# KiCad board digital.kicad_pcb (continued)
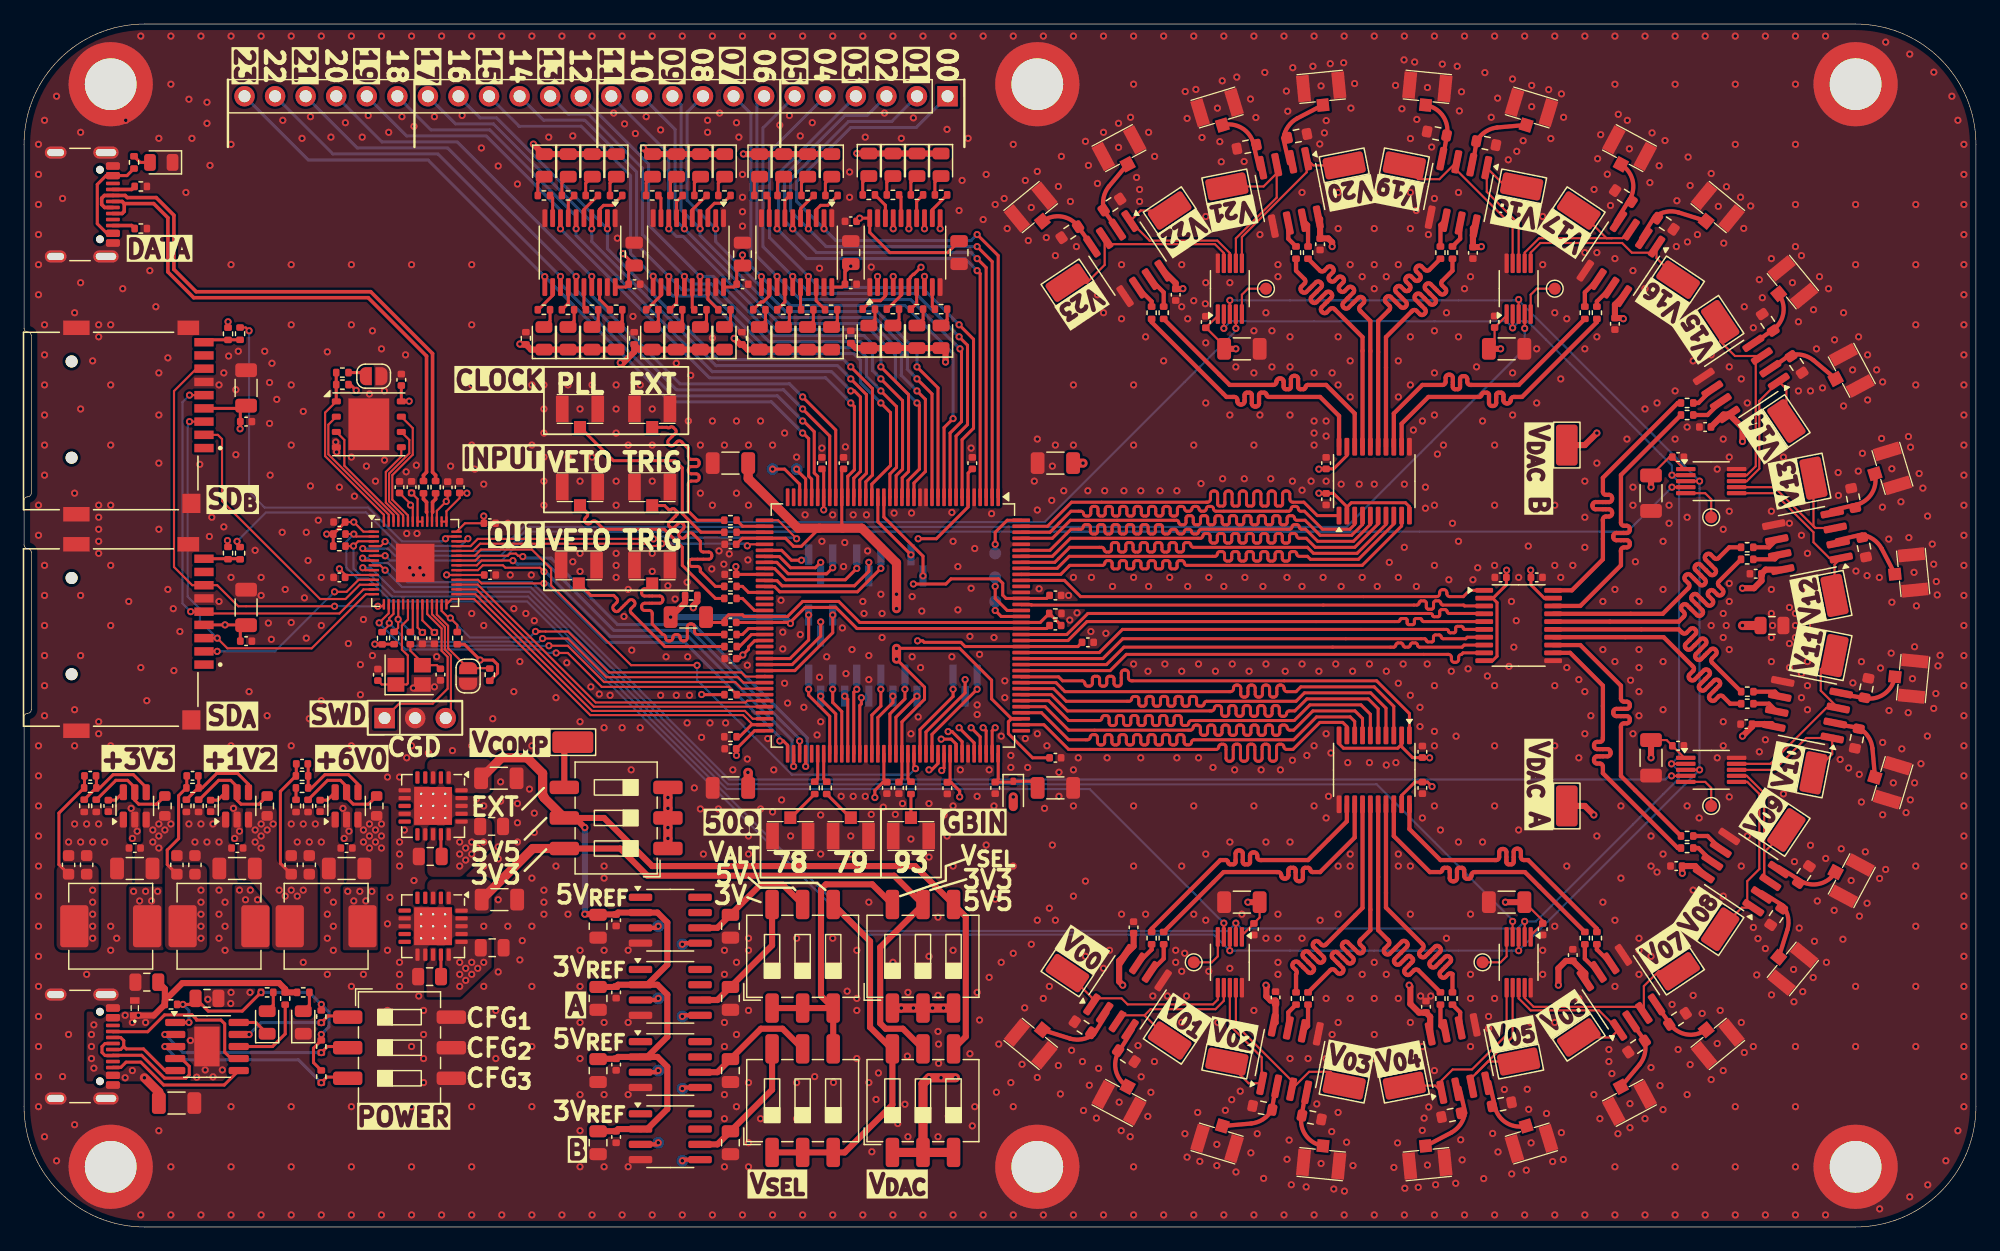
[diagram p0: board, top side]
## Routing (per net, layer and track width the routed paths; a pad name or vN(x,y) marks a point on that pad's centre or on a via; arc(x,y) is an arc through that point) (continued)
/FPGA/TRIG_IN: length 2.5
  Top w0.254: R8.2 59.7,53.25 60.2,52.75 U1.49
/FPGA/TRIG_IN_0: length 40
  Top w0.254: U24.9 109.92,41.6 109.58,41.94 107.69,41.94 105.44,39.7 104.91,39.7 arc(104.75,39.76) 104.69,39.92 arc(104.63,40.07) 104.48,40.13 104.3,40.13 arc(104.14,40.07) 104.08,39.92 104.08,38.95 arc(104.01,38.78) 103.84,38.71 103.72,38.71 arc(103.55,38.78) 103.48,38.95 103.48,39.92 arc(103.42,40.07) 103.26,40.13 103.1,40.13 arc(102.94,40.07) 102.88,39.92 102.88,38.95 arc(102.81,38.78) 102.64,38.71 102.52,38.71 arc(102.35,38.78) 102.28,38.95 102.28,39.92 arc(102.22,40.07) 102.06,40.13 101.9,40.13 arc(101.74,40.07) 101.68,39.92 101.68,38.95 arc(101.61,38.78) 101.44,38.71 101.32,38.71 arc(101.15,38.78) 101.08,38.95 101.08,39.92 arc(101.02,40.07) 100.86,40.13 100.7,40.13 arc(100.54,40.07) 100.48,39.92 100.48,38.95 arc(100.41,38.78) 100.24,38.71 100.12,38.71 arc(99.95,38.78) 99.88,38.95 99.88,39.92 arc(99.82,40.07) 99.67,40.13 99.5,40.13 arc(99.34,40.07) 99.28,39.92 arc(99.22,39.76) 99.07,39.7 86.8,39.7 84.75,41.75 U1.110
/FPGA/TRIG_IN_1: length 40
  Top w0.254: U1.112 84.55,42.75 86.8,40.5 88.38,40.5 arc(88.54,40.56) 88.6,40.71 arc(88.66,40.86) 88.81,40.93 88.98,40.93 arc(89.14,40.86) 89.2,40.71 89.2,40.29 arc(89.26,40.13) 89.41,40.07 89.58,40.07 arc(89.73,40.13) 89.8,40.29 89.8,40.71 arc(89.86,40.87) 90.01,40.93 90.18,40.93 arc(90.33,40.87) 90.4,40.71 90.4,40.29 arc(90.46,40.13) 90.61,40.07 90.78,40.07 arc(90.93,40.13) 91,40.29 91,40.71 arc(91.06,40.87) 91.21,40.93 91.38,40.93 arc(91.53,40.87) 91.6,40.71 91.6,40.29 arc(91.66,40.13) 91.81,40.07 91.98,40.07 arc(92.13,40.13) 92.2,40.29 92.2,40.71 arc(92.26,40.87) 92.41,40.93 92.58,40.93 arc(92.73,40.87) 92.8,40.71 92.8,40.29 arc(92.86,40.13) 93.01,40.07 93.18,40.07 arc(93.33,40.13) 93.4,40.29 93.4,40.71 arc(93.46,40.87) 93.61,40.93 93.78,40.93 arc(93.93,40.87) 94,40.71 94,40.29 arc(94.06,40.13) 94.21,40.07 94.38,40.07 arc(94.53,40.13) 94.6,40.29 94.6,40.71 arc(94.66,40.87) 94.81,40.93 94.98,40.93 arc(95.13,40.87) 95.2,40.71 95.2,40.29 arc(95.26,40.13) 95.41,40.07 95.58,40.07 arc(95.73,40.13) 95.8,40.29 95.8,40.71 arc(95.86,40.87) 96.01,40.93 96.18,40.93 arc(96.33,40.87) 96.4,40.71 96.4,40.29 arc(96.46,40.14) 96.61,40.07 96.8,40.07 arc(96.95,40.14) 97.01,40.29 arc(97.07,40.44) 97.22,40.5 105.5,40.5 107.4,42.4 110.2,42.4 110.58,42.03 U24.8
/FPGA/TRIG_IN_2: length 40
  Top w0.254: U1.113 84.85,43.25 86.8,41.3 96.94,41.3 arc(97.09,41.36) 97.15,41.51 arc(97.21,41.66) 97.36,41.72 97.54,41.72 arc(97.69,41.66) 97.75,41.51 97.75,41.09 arc(97.81,40.94) 97.96,40.87 98.14,40.87 arc(98.29,40.94) 98.35,41.09 98.35,41.51 arc(98.41,41.66) 98.56,41.73 98.74,41.73 arc(98.89,41.66) 98.95,41.51 98.95,41.09 arc(99.01,40.94) 99.16,40.87 99.34,40.87 arc(99.49,40.94) 99.55,41.09 99.55,41.51 arc(99.61,41.66) 99.76,41.73 99.94,41.73 arc(100.09,41.66) 100.15,41.51 100.15,41.09 arc(100.21,40.94) 100.36,40.87 100.54,40.87 arc(100.69,40.94) 100.75,41.09 100.75,41.51 arc(100.81,41.66) 100.96,41.73 101.14,41.73 arc(101.29,41.66) 101.35,41.51 101.35,41.09 arc(101.41,40.94) 101.56,40.87 101.74,40.87 arc(101.89,40.94) 101.95,41.09 101.95,41.51 arc(102.01,41.66) 102.16,41.73 102.34,41.73 arc(102.49,41.66) 102.55,41.51 102.55,41.09 arc(102.61,40.94) 102.76,40.87 102.94,40.87 arc(103.09,40.94) 103.15,41.09 103.15,41.51 arc(103.21,41.66) 103.36,41.73 103.54,41.73 arc(103.69,41.66) 103.75,41.51 103.75,41.09 arc(103.81,40.94) 103.96,40.87 104.14,40.87 arc(104.29,40.94) 104.35,41.09 104.35,41.51 arc(104.41,41.66) 104.56,41.72 104.75,41.72 arc(104.9,41.66) 104.96,41.51 arc(105.03,41.36) 105.17,41.3 105.5,41.3 107.1,42.9 110.6,42.9 111.23,42.28 U24.7
/FPGA/TRIG_IN_3: length 40
  Top w0.254: U1.114 85.15,43.75 86.8,42.1 89.36,42.1 arc(89.51,42.16) 89.57,42.31 arc(89.63,42.45) 89.77,42.51 89.96,42.51 arc(90.11,42.45) 90.17,42.31 90.17,41.89 arc(90.23,41.74) 90.38,41.68 90.56,41.68 arc(90.71,41.74) 90.77,41.89 90.77,42.31 arc(90.83,42.46) 90.98,42.52 91.16,42.52 arc(91.31,42.46) 91.37,42.31 91.37,41.89 arc(91.43,41.74) 91.58,41.68 91.76,41.68 arc(91.91,41.74) 91.97,41.89 91.97,42.31 arc(92.03,42.46) 92.18,42.52 92.36,42.52 arc(92.51,42.46) 92.57,42.31 92.57,41.89 arc(92.63,41.74) 92.78,41.68 92.96,41.68 arc(93.11,41.74) 93.17,41.89 93.17,42.31 arc(93.23,42.46) 93.38,42.52 93.56,42.52 arc(93.71,42.46) 93.77,42.31 93.77,41.89 arc(93.83,41.74) 93.98,41.68 94.16,41.68 arc(94.31,41.74) 94.37,41.89 94.37,42.31 arc(94.43,42.46) 94.58,42.52 94.76,42.52 arc(94.91,42.46) 94.97,42.31 94.97,41.89 arc(95.03,41.74) 95.18,41.68 95.36,41.68 arc(95.51,41.74) 95.57,41.89 95.57,42.31 arc(95.63,42.46) 95.78,42.52 95.96,42.52 arc(96.11,42.46) 96.17,42.31 96.17,41.89 arc(96.23,41.75) 96.37,41.69 96.58,41.69 arc(96.73,41.75) 96.79,41.89 arc(96.85,42.04) 96.99,42.1 105.55,42.1 106.85,43.4 111.1,43.4 111.88,42.62 U24.6
/FPGA/TRIG_IN_4: length 40
  Top w0.254: U24.5 112.52,43.08 111.7,43.9 106.6,43.9 105.6,42.9 105.14,42.9 arc(104.98,42.83) 104.91,42.68 arc(104.85,42.52) 104.69,42.46 104.53,42.46 arc(104.38,42.52) 104.31,42.68 104.31,43.12 arc(104.25,43.28) 104.09,43.35 103.93,43.35 arc(103.78,43.28) 103.71,43.12 103.71,42.68 arc(103.65,42.52) 103.49,42.45 103.33,42.45 arc(103.18,42.52) 103.11,42.68 103.11,43.12 arc(103.05,43.28) 102.89,43.35 102.73,43.35 arc(102.58,43.28) 102.51,43.12 102.51,42.68 arc(102.45,42.52) 102.29,42.45 102.13,42.45 arc(101.98,42.52) 101.91,42.68 101.91,43.12 arc(101.85,43.28) 101.69,43.35 101.53,43.35 arc(101.38,43.28) 101.31,43.12 101.31,42.68 arc(101.25,42.52) 101.09,42.45 100.93,42.45 arc(100.78,42.52) 100.71,42.68 100.71,43.12 arc(100.65,43.28) 100.49,43.35 100.33,43.35 arc(100.18,43.28) 100.11,43.12 100.11,42.68 arc(100.05,42.52) 99.89,42.45 99.73,42.45 arc(99.58,42.52) 99.51,42.68 99.51,43.12 arc(99.45,43.28) 99.29,43.34 99.13,43.34 arc(98.98,43.28) 98.91,43.12 arc(98.85,42.97) 98.69,42.9 86.7,42.9 85.35,44.25 U1.115
/FPGA/TRIG_IN_5: length 40
  Top w0.254: U1.116 85.55,44.75 86.6,43.7 91.84,43.7 arc(91.98,43.76) 92.03,43.9 arc(92.09,44.04) 92.23,44.1 92.44,44.1 arc(92.58,44.04) 92.63,43.9 92.63,43.5 arc(92.69,43.35) 92.84,43.29 93.03,43.29 arc(93.18,43.35) 93.23,43.5 93.23,43.9 arc(93.29,44.05) 93.44,44.11 93.63,44.11 arc(93.78,44.05) 93.83,43.9 93.83,43.5 arc(93.89,43.35) 94.04,43.29 94.23,43.29 arc(94.38,43.35) 94.43,43.5 94.43,43.9 arc(94.49,44.05) 94.64,44.11 94.83,44.11 arc(94.98,44.05) 95.03,43.9 95.03,43.5 arc(95.09,43.35) 95.24,43.29 95.43,43.29 arc(95.58,43.35) 95.63,43.5 95.63,43.9 arc(95.69,44.05) 95.84,44.11 96.03,44.11 arc(96.18,44.05) 96.23,43.9 96.23,43.5 arc(96.29,43.35) 96.44,43.29 96.63,43.29 arc(96.78,43.35) 96.83,43.5 96.83,43.9 arc(96.89,44.05) 97.04,44.11 97.23,44.11 arc(97.38,44.05) 97.43,43.9 97.43,43.5 arc(97.49,43.36) 97.63,43.3 97.86,43.3 arc(98,43.36) 98.06,43.5 arc(98.12,43.64) 98.26,43.7 105.7,43.7 106.4,44.4 111.9,44.4 113.17,43.12 U24.4
/FPGA/TRIG_IN_6: length 40
  Top w0.254: U1.117 85.75,45.25 86.5,44.5 100.26,44.5 arc(100.43,44.57) 100.5,44.74 100.5,44.81 arc(100.57,44.98) 100.74,45.05 100.86,45.05 arc(101.03,44.98) 101.1,44.81 101.1,44.28 arc(101.17,44.12) 101.33,44.05 101.48,44.05 arc(101.64,44.12) 101.7,44.28 101.7,44.81 arc(101.77,44.98) 101.94,45.05 102.06,45.05 arc(102.23,44.98) 102.3,44.81 102.3,44.28 arc(102.37,44.12) 102.53,44.05 102.68,44.05 arc(102.84,44.12) 102.9,44.28 102.9,44.81 arc(102.97,44.98) 103.14,45.05 103.26,45.05 arc(103.43,44.98) 103.5,44.81 103.5,44.28 arc(103.57,44.12) 103.73,44.05 103.88,44.05 arc(104.04,44.12) 104.1,44.28 104.1,44.81 arc(104.17,44.98) 104.34,45.05 104.46,45.05 arc(104.63,44.98) 104.7,44.81 104.7,44.74 arc(104.77,44.57) 104.94,44.5 105.7,44.5 106.1,44.9 112.2,44.9 113.83,43.28 U24.3
/FPGA/TRIG_IN_7: length 40
  Top w0.254: U24.1 115.13,42.67 112.4,45.4 92.01,45.4 arc(91.84,45.47) 91.77,45.64 91.77,46.06 arc(91.7,46.23) 91.53,46.3 91.41,46.3 arc(91.24,46.23) 91.17,46.06 91.17,45.18 arc(91.11,45.02) 90.95,44.96 90.79,44.96 arc(90.64,45.02) 90.57,45.18 90.57,45.59 arc(90.52,45.72) 90.38,45.78 90.16,45.78 arc(90.03,45.72) 89.97,45.59 89.97,45.18 arc(89.91,45.02) 89.75,44.96 89.59,44.96 arc(89.44,45.02) 89.37,45.18 89.37,45.59 arc(89.32,45.72) 89.18,45.78 88.96,45.78 arc(88.83,45.72) 88.77,45.59 88.77,45.18 arc(88.71,45.03) 88.56,44.96 88.37,44.96 arc(88.22,45.03) 88.15,45.18 arc(88.09,45.34) 87.93,45.4 86.3,45.4 85.97,45.73 82.88,45.73 U1.118
/FPGA/TRIG_IN_8: length 40
  Top w0.254: U1.119 90.25,46.25 91.6,47.6 118.37,47.6 arc(118.54,47.53) 118.61,47.36 118.61,47.18 arc(118.68,47.01) 118.85,46.94 118.97,46.94 arc(119.14,47.01) 119.21,47.18 119.21,47.36 arc(119.28,47.53) 119.45,47.6 119.58,47.72 U29.9
/FPGA/TRIG_IN_9: length 39.9
  Top w0.254: U1.120 89.95,46.75 91.4,48.2 113.82,48.2 arc(113.94,48.25) 113.99,48.38 arc(114.05,48.5) 114.17,48.55 114.42,48.55 arc(114.54,48.5) 114.59,48.38 arc(114.65,48.25) 114.77,48.2 115.02,48.2 arc(115.14,48.25) 115.19,48.38 arc(115.25,48.5) 115.37,48.55 115.62,48.55 arc(115.74,48.5) 115.79,48.38 arc(115.85,48.25) 115.97,48.2 119.5,48.2 119.67,48.38 U29.8
/FPGA/TRIG_IN_10: length 40
  Top w0.254: U29.7 119.92,49.03 119.8,48.9 117.92,48.9 arc(117.81,48.95) 117.76,49.06 arc(117.72,49.17) 117.61,49.22 117.28,49.22 arc(117.17,49.17) 117.12,49.06 117.12,48.77 arc(117.08,48.67) 116.99,48.63 116.65,48.63 arc(116.56,48.67) 116.52,48.77 arc(116.48,48.86) 116.39,48.9 91.3,48.9 89.65,47.25 U1.121
/FPGA/TRIG_IN_11: length 40
  Top w0.254: U1.122 89.35,47.75 91.27,49.67 118.22,49.67 arc(118.32,49.63) 118.37,49.53 arc(118.41,49.43) 118.51,49.39 118.82,49.39 arc(118.92,49.43) 118.97,49.53 118.97,49.8 arc(119,49.89) 119.09,49.93 119.46,49.93 arc(119.55,49.89) 119.59,49.8 arc(119.63,49.71) 119.72,49.67 U29.6
/FPGA/TRIG_IN_12: length 40.2
  Top w0.254: U29.5 116.28,50.33 arc(116.19,50.36) 116.16,50.45 arc(116.12,50.54) 116.03,50.58 115.66,50.58 arc(115.57,50.54) 115.53,50.45 115.53,50.2 arc(115.5,50.11) 115.41,50.07 115.06,50.07 arc(114.97,50.11) 114.93,50.2 114.93,50.45 arc(114.9,50.54) 114.81,50.58 114.46,50.58 arc(114.37,50.54) 114.33,50.45 arc(114.3,50.36) 114.21,50.33 88.33,50.33 86.75,48.75 U1.124
/FPGA/TRIG_IN_13: length 40
  Top w0.254: U1.125 86.65,49.25 88.4,51 116.9,51 arc(117,50.96) 117.04,50.87 arc(117.08,50.77) 117.17,50.73 117.5,50.73 arc(117.6,50.77) 117.64,50.87 117.64,51.16 arc(117.69,51.27) 117.8,51.32 118.09,51.32 arc(118.21,51.27) 118.25,51.16 arc(118.3,51.05) 118.41,51 121.31,51 U29.4
/FPGA/TRIG_IN_14: length 40
  Top w0.254: U29.3 119.7,51.62 119.63,51.7 117.9,51.7 arc(117.78,51.75) 117.73,51.87 arc(117.68,52) 117.56,52.05 117.3,52.05 arc(117.18,52) 117.13,51.87 117.13,51.53 arc(117.08,51.4) 116.95,51.35 116.7,51.35 arc(116.58,51.4) 116.53,51.53 116.53,51.87 arc(116.48,52) 116.35,52.05 116.1,52.05 arc(115.98,52) 115.93,51.87 arc(115.88,51.75) 115.75,51.7 83.72,51.7 83.69,51.73 82.88,51.73 U1.130
/FPGA/TRIG_IN_15: length 40
  Top w0.254: U1.134 86.45,53.75 87.8,52.4 117.39,52.4 arc(117.56,52.47) 117.63,52.64 117.63,52.74 arc(117.7,52.91) 117.87,52.98 117.99,52.98 arc(118.16,52.91) 118.23,52.74 118.23,52.64 arc(118.3,52.47) 118.47,52.4 119.6,52.4 120.13,52.92 U29.1
/FPGA/TRIG_IN_16: length 40
  Top w0.254: 82.88,54.23 U1.135 86.15,54.25 86.9,55 89.62,55 arc(89.76,55.06) 89.81,55.2 arc(89.87,55.34) 90.01,55.39 90.22,55.39 arc(90.36,55.34) 90.41,55.2 90.41,54.85 arc(90.46,54.75) 90.56,54.71 90.87,54.71 arc(90.97,54.75) 91.01,54.85 91.01,55.2 arc(91.07,55.34) 91.21,55.39 91.42,55.39 arc(91.56,55.34) 91.61,55.2 91.61,54.85 arc(91.66,54.75) 91.76,54.71 92.07,54.71 arc(92.17,54.75) 92.21,54.85 92.21,55.2 arc(92.27,55.34) 92.41,55.39 92.62,55.39 arc(92.76,55.34) 92.81,55.2 92.81,54.85 arc(92.86,54.75) 92.96,54.71 93.27,54.71 arc(93.37,54.75) 93.41,54.85 93.41,55.2 arc(93.47,55.34) 93.61,55.39 93.82,55.39 arc(93.96,55.34) 94.01,55.2 94.01,54.85 arc(94.06,54.75) 94.16,54.71 94.47,54.71 arc(94.57,54.75) 94.61,54.85 94.61,55.2 arc(94.67,55.34) 94.81,55.39 95.02,55.39 arc(95.16,55.34) 95.21,55.2 95.21,54.85 arc(95.26,54.75) 95.36,54.71 95.67,54.71 arc(95.77,54.75) 95.81,54.85 95.81,55.2 arc(95.87,55.34) 96.01,55.39 96.22,55.39 arc(96.36,55.34) 96.42,55.2 arc(96.47,55.06) 96.61,55 111.2,55 114.48,58.28 U34.9
/FPGA/TRIG_IN_17: length 40
  Top w0.254: U34.8 113.83,58.44 110.88,55.5 106.9,55.5 106.65,55.75 105.96,55.75 arc(105.82,55.81) 105.76,55.95 arc(105.71,56.08) 105.57,56.14 105.35,56.14 arc(105.22,56.08) 105.16,55.95 105.16,55.55 arc(105.1,55.41) 104.96,55.36 104.76,55.36 arc(104.62,55.41) 104.56,55.55 104.56,55.95 arc(104.5,56.09) 104.36,56.14 104.16,56.14 arc(104.02,56.09) 103.96,55.95 103.96,55.55 arc(103.9,55.41) 103.76,55.36 103.56,55.36 arc(103.42,55.41) 103.36,55.55 103.36,55.95 arc(103.3,56.09) 103.16,56.14 102.96,56.14 arc(102.82,56.09) 102.76,55.95 102.76,55.55 arc(102.7,55.41) 102.56,55.36 102.36,55.36 arc(102.22,55.41) 102.16,55.55 102.16,55.95 arc(102.1,56.09) 101.96,56.14 101.76,56.14 arc(101.62,56.09) 101.56,55.95 101.56,55.55 arc(101.5,55.41) 101.36,55.36 101.16,55.36 arc(101.02,55.41) 100.96,55.55 100.96,55.95 arc(100.9,56.09) 100.76,56.14 100.56,56.14 arc(100.42,56.09) 100.36,55.95 100.36,55.55 arc(100.3,55.41) 100.16,55.36 99.96,55.36 arc(99.82,55.41) 99.76,55.55 99.76,55.95 arc(99.7,56.08) 99.56,56.14 99.35,56.14 arc(99.22,56.08) 99.16,55.95 arc(99.1,55.81) 98.96,55.75 86.85,55.75 85.85,54.75 U1.136
/FPGA/TRIG_IN_18: length 40
  Top w0.254: U34.7 113.17,58.4 110.77,56 107.15,56 106.65,56.5 97.16,56.5 arc(97.02,56.56) 96.96,56.7 arc(96.9,56.83) 96.76,56.89 96.55,56.89 arc(96.41,56.83) 96.36,56.7 96.36,56.3 arc(96.3,56.16) 96.16,56.11 95.95,56.11 arc(95.81,56.16) 95.76,56.3 95.76,56.7 arc(95.7,56.84) 95.56,56.89 95.35,56.89 arc(95.21,56.84) 95.16,56.7 95.16,56.3 arc(95.1,56.16) 94.96,56.11 94.75,56.11 arc(94.61,56.16) 94.56,56.3 94.56,56.7 arc(94.5,56.84) 94.36,56.89 94.15,56.89 arc(94.01,56.84) 93.96,56.7 93.96,56.3 arc(93.9,56.16) 93.76,56.11 93.55,56.11 arc(93.41,56.16) 93.36,56.3 93.36,56.7 arc(93.3,56.84) 93.16,56.89 92.95,56.89 arc(92.81,56.84) 92.76,56.7 92.76,56.3 arc(92.7,56.16) 92.56,56.11 92.35,56.11 arc(92.21,56.16) 92.16,56.3 92.16,56.7 arc(92.1,56.84) 91.96,56.89 91.75,56.89 arc(91.61,56.84) 91.56,56.7 91.56,56.3 arc(91.5,56.16) 91.36,56.11 91.15,56.11 arc(91.01,56.16) 90.96,56.3 90.96,56.7 arc(90.9,56.84) 90.76,56.89 90.55,56.89 arc(90.41,56.84) 90.36,56.7 90.36,56.3 arc(90.3,56.17) 90.16,56.11 89.95,56.11 arc(89.81,56.17) 89.76,56.3 arc(89.7,56.44) 89.56,56.5 86.9,56.5 85.65,55.25 U1.137
/FPGA/TRIG_IN_19: length 40
  Top w0.254: U34.6 112.52,58.44 110.58,56.5 107.3,56.5 106.55,57.25 105.96,57.25 arc(105.82,57.31) 105.76,57.45 arc(105.7,57.59) 105.56,57.65 105.36,57.65 arc(105.22,57.59) 105.16,57.45 105.16,57.05 arc(105.1,56.91) 104.96,56.85 104.76,56.85 arc(104.62,56.91) 104.56,57.05 104.56,57.45 arc(104.5,57.59) 104.36,57.65 104.16,57.65 arc(104.02,57.59) 103.96,57.45 103.96,57.05 arc(103.9,56.91) 103.76,56.85 103.56,56.85 arc(103.42,56.91) 103.36,57.05 103.36,57.45 arc(103.3,57.59) 103.16,57.65 102.96,57.65 arc(102.82,57.59) 102.76,57.45 102.76,57.05 arc(102.7,56.91) 102.56,56.85 102.36,56.85 arc(102.22,56.91) 102.16,57.05 102.16,57.45 arc(102.1,57.59) 101.96,57.65 101.76,57.65 arc(101.62,57.59) 101.56,57.45 101.56,57.05 arc(101.5,56.91) 101.36,56.85 101.16,56.85 arc(101.02,56.91) 100.96,57.05 100.96,57.45 arc(100.9,57.59) 100.76,57.65 100.56,57.65 arc(100.42,57.59) 100.36,57.45 100.36,57.05 arc(100.3,56.91) 100.16,56.85 99.96,56.85 arc(99.82,56.91) 99.76,57.05 99.76,57.45 arc(99.7,57.59) 99.56,57.65 99.36,57.65 arc(99.22,57.59) 99.16,57.45 99.16,57.05 arc(99.1,56.91) 98.96,56.85 98.76,56.85 arc(98.62,56.91) 98.56,57.05 98.56,57.45 arc(98.5,57.59) 98.36,57.65 98.16,57.65 arc(98.02,57.59) 97.96,57.45 arc(97.9,57.31) 97.76,57.25 86.95,57.25 85.45,55.75 U1.138
/FPGA/TRIG_IN_20: length 40
  Top w0.254: U1.139 85.25,56.25 87,58 87.81,58 arc(87.95,58.06) 88.01,58.19 arc(88.07,58.33) 88.2,58.39 88.41,58.39 arc(88.55,58.33) 88.61,58.19 88.61,57.8 arc(88.67,57.67) 88.8,57.61 89.01,57.61 arc(89.15,57.67) 89.21,57.8 89.21,58.2 arc(89.27,58.33) 89.4,58.39 89.61,58.39 arc(89.75,58.33) 89.81,58.2 89.81,57.8 arc(89.87,57.67) 90,57.61 90.21,57.61 arc(90.35,57.67) 90.41,57.8 90.41,58.2 arc(90.47,58.33) 90.6,58.39 90.81,58.39 arc(90.95,58.33) 91.01,58.2 91.01,57.8 arc(91.07,57.67) 91.2,57.61 91.41,57.61 arc(91.55,57.67) 91.61,57.8 91.61,58.2 arc(91.67,58.33) 91.8,58.39 92.01,58.39 arc(92.15,58.33) 92.21,58.2 92.21,57.8 arc(92.27,57.67) 92.4,57.61 92.61,57.61 arc(92.75,57.67) 92.81,57.8 92.81,58.2 arc(92.87,58.33) 93,58.39 93.21,58.39 arc(93.35,58.33) 93.41,58.2 93.41,57.8 arc(93.47,57.67) 93.6,57.61 93.81,57.61 arc(93.95,57.67) 94.01,57.8 94.01,58.2 arc(94.07,58.33) 94.2,58.39 94.41,58.39 arc(94.55,58.33) 94.61,58.2 94.61,57.81 arc(94.67,57.67) 94.8,57.61 95.02,57.61 arc(95.16,57.67) 95.21,57.81 arc(95.27,57.94) 95.41,58 95.62,58 arc(95.76,57.94) 95.81,57.81 arc(95.87,57.67) 96.01,57.61 96.22,57.61 arc(96.36,57.67) 96.41,57.81 arc(96.47,57.94) 96.61,58 96.82,58 arc(96.96,57.94) 97.01,57.81 arc(97.07,57.67) 97.21,57.61 97.42,57.61 arc(97.56,57.67) 97.61,57.81 arc(97.67,57.94) 97.81,58 105.17,58 arc(105.31,58.06) 105.36,58.19 arc(105.42,58.33) 105.56,58.39 105.77,58.39 arc(105.91,58.33) 105.96,58.19 arc(106.02,58.06) 106.16,58 106.5,58 107.5,57 110.47,57 111.88,58.4 U34.5
/FPGA/TRIG_IN_21: length 40
  Top w0.254: U34.4 111.23,58.4 110.32,57.5 107.7,57.5 106.45,58.75 105.76,58.75 arc(105.63,58.81) 105.57,58.94 arc(105.51,59.07) 105.38,59.13 105.15,59.13 arc(105.01,59.07) 104.96,58.94 104.96,58.56 arc(104.9,58.43) 104.77,58.37 104.55,58.37 arc(104.41,58.43) 104.36,58.56 104.36,58.94 arc(104.3,59.07) 104.17,59.13 103.95,59.13 arc(103.81,59.07) 103.76,58.94 103.76,58.56 arc(103.7,58.43) 103.57,58.37 103.35,58.37 arc(103.21,58.43) 103.16,58.56 103.16,58.94 arc(103.1,59.07) 102.97,59.13 102.75,59.13 arc(102.61,59.07) 102.56,58.94 102.56,58.56 arc(102.5,58.43) 102.37,58.37 102.15,58.37 arc(102.01,58.43) 101.96,58.56 101.96,58.94 arc(101.9,59.07) 101.77,59.13 101.55,59.13 arc(101.41,59.07) 101.36,58.94 101.36,58.56 arc(101.3,58.43) 101.17,58.37 100.95,58.37 arc(100.81,58.43) 100.76,58.56 100.76,58.94 arc(100.7,59.07) 100.57,59.13 100.35,59.13 arc(100.21,59.07) 100.16,58.94 100.16,58.56 arc(100.1,58.43) 99.97,58.37 99.75,58.37 arc(99.61,58.43) 99.56,58.56 99.56,58.94 arc(99.5,59.07) 99.37,59.13 99.15,59.13 arc(99.01,59.07) 98.96,58.94 98.96,58.56 arc(98.9,58.43) 98.77,58.37 98.55,58.37 arc(98.41,58.43) 98.36,58.56 98.36,58.94 arc(98.3,59.07) 98.17,59.13 97.95,59.13 arc(97.81,59.07) 97.76,58.94 97.76,58.56 arc(97.7,58.43) 97.57,58.37 97.35,58.37 arc(97.21,58.43) 97.16,58.56 97.16,58.94 arc(97.1,59.07) 96.97,59.13 96.75,59.13 arc(96.61,59.07) 96.56,58.94 96.56,58.56 arc(96.5,58.43) 96.37,58.37 96.15,58.37 arc(96.01,58.43) 95.96,58.56 arc(95.9,58.69) 95.77,58.75 86.95,58.75 85.45,57.25 U1.141
/FPGA/TRIG_IN_22: length 40
  Top w0.254: U34.3 110.58,58.4 110.17,58 107.9,58 106.4,59.5 106.09,59.5 arc(105.95,59.56) 105.89,59.7 arc(105.83,59.84) 105.69,59.9 105.49,59.9 arc(105.35,59.84) 105.29,59.7 arc(105.23,59.56) 105.09,59.5 99.04,59.5 arc(98.9,59.56) 98.84,59.7 arc(98.78,59.84) 98.64,59.9 98.44,59.9 arc(98.3,59.84) 98.24,59.7 arc(98.18,59.56) 98.04,59.5 97.84,59.5 arc(97.7,59.56) 97.64,59.7 arc(97.58,59.84) 97.44,59.9 97.24,59.9 arc(97.1,59.84) 97.04,59.7 arc(96.98,59.56) 96.84,59.5 96.64,59.5 arc(96.5,59.56) 96.44,59.7 arc(96.38,59.84) 96.24,59.9 96.04,59.9 arc(95.9,59.84) 95.84,59.7 95.84,59.3 arc(95.78,59.16) 95.64,59.1 95.44,59.1 arc(95.3,59.16) 95.24,59.3 95.24,59.7 arc(95.18,59.84) 95.04,59.9 94.84,59.9 arc(94.7,59.84) 94.64,59.7 94.64,59.3 arc(94.58,59.16) 94.44,59.1 94.24,59.1 arc(94.1,59.16) 94.04,59.3 94.04,59.7 arc(93.98,59.84) 93.84,59.9 93.64,59.9 arc(93.5,59.84) 93.44,59.7 93.44,59.3 arc(93.38,59.16) 93.24,59.1 93.04,59.1 arc(92.9,59.16) 92.84,59.3 92.84,59.7 arc(92.78,59.84) 92.64,59.9 92.44,59.9 arc(92.3,59.84) 92.24,59.7 92.24,59.3 arc(92.18,59.16) 92.04,59.1 91.84,59.1 arc(91.7,59.16) 91.64,59.3 91.64,59.7 arc(91.58,59.84) 91.44,59.9 91.24,59.9 arc(91.1,59.84) 91.04,59.7 91.04,59.3 arc(90.98,59.16) 90.84,59.1 90.64,59.1 arc(90.5,59.16) 90.44,59.3 90.44,59.7 arc(90.38,59.84) 90.24,59.9 90.04,59.9 arc(89.9,59.84) 89.84,59.7 89.84,59.3 arc(89.78,59.16) 89.64,59.1 89.44,59.1 arc(89.3,59.16) 89.24,59.3 89.24,59.7 arc(89.18,59.84) 89.04,59.9 88.84,59.9 arc(88.7,59.84) 88.64,59.7 88.64,59.3 arc(88.58,59.16) 88.44,59.1 88.24,59.1 arc(88.1,59.16) 88.04,59.3 arc(87.98,59.44) 87.84,59.5 87,59.5 85.25,57.75 U1.142
/FPGA/TRIG_IN_23: length 40
  Top w0.254: U34.1 107.46,59.14 106.35,60.25 105.43,60.25 arc(105.26,60.32) 105.19,60.49 105.19,60.95 arc(105.11,61.12) 104.95,61.19 104.83,61.19 arc(104.66,61.12) 104.59,60.95 104.59,60.09 arc(104.54,59.98) 104.43,59.93 104.14,59.93 arc(104.03,59.98) 103.99,60.09 103.99,60.95 arc(103.91,61.12) 103.75,61.19 103.63,61.19 arc(103.46,61.12) 103.39,60.95 103.39,60.09 arc(103.34,59.98) 103.23,59.93 102.94,59.93 arc(102.83,59.98) 102.79,60.09 102.79,60.95 arc(102.71,61.12) 102.55,61.19 102.43,61.19 arc(102.26,61.12) 102.19,60.95 102.19,60.09 arc(102.14,59.98) 102.03,59.93 101.74,59.93 arc(101.63,59.98) 101.59,60.09 101.59,60.95 arc(101.51,61.12) 101.35,61.19 101.23,61.19 arc(101.06,61.12) 100.99,60.95 100.99,60.09 arc(100.94,59.98) 100.83,59.93 100.54,59.93 arc(100.43,59.98) 100.39,60.09 100.39,60.95 arc(100.31,61.12) 100.15,61.19 100.03,61.19 arc(99.86,61.12) 99.79,60.95 99.79,60.09 arc(99.74,59.98) 99.63,59.93 99.34,59.93 arc(99.23,59.98) 99.19,60.09 99.19,60.95 arc(99.11,61.12) 98.95,61.19 98.83,61.19 arc(98.66,61.12) 98.59,60.95 98.59,60.49 arc(98.51,60.32) 98.35,60.25 87.05,60.25 85.05,58.25 U1.143
/FPGA/TRIG_OUT: length 2.5
  Top w0.254: U1.55 60.2,49.75 59.7,49.25 R9.2
/FPGA/VETO_IN: length 2.7
  Top w0.254: R6.2 59.7,52.25 60.7,51.25 U1.52
/FPGA/VETO_OUT: length 2.7
  Top w0.254: U1.56 60.45,49.25 59.45,48.25 R7.2
/FPGA/~{CRESET}: length 36.5
  Top w0.178: R31.2 58.57,44.9 48,44.9 45.18,47.72 v1(44.22,47.72) ; U4.16 30.3,51.01 v1(29.51,50.22)
  Top w0.254: U1.66 R31.2
  Bottom w0.178: v1(44.22,47.72) 44.03,47.9 43.86,47.73 43.37,47.73 43.1,48 31.72,48 29.51,50.21 v1(29.51,50.22)
/FPGA/~{INT}: length 31.6
  Top w0.178: U1.63 59.95,45.75 59.6,46.1 48.6,46.1 45.2,49.5 43.34,49.5 43.33,49.51 42.84,49.51 42.84,49.5 42.5,49.5 v1(42.5,49.5) ; R28.2 36,50.04 v1(35.42,50.62) 35.29,50.62 34.7,51.22 U4.27
  Top w0.254: U1.63 61.54,45.77 61.6,45.77
  Bottom w0.178: v1(42.5,49.5) 42,49 37.04,49 v1(35.42,50.62)
/FPGA/~{RESET}: length 35.3
  Top w0.178: U4.18 31.1,50.53 v1(31.08,50.52) 31.08,49.8 R29.2 ; v1(43.09,48.92) 45.18,48.92 48.4,45.7 59.34,45.7 59.79,45.25 U1.64
  Bottom w0.178: v1(31.08,50.52) 32.95,48.65 42.82,48.65 v1(43.09,48.92)
/MCU/CS_A: length 16.6
  Top w0.178: v1(25.8,52.8) 26.8,52.8 27.8,53.8 U4.11 ; J16.2 v1(16.05,47.85)
  Bottom w0.178: v1(25.8,52.8) 20.85,47.85 v1(16.05,47.85)
/MCU/CS_B: length 23.3
  Top w0.178: U4.12 29.05,53.39 27.9,53.39 26.71,52.2 24.6,52.2 16.45,60.35 16.45,65.5 16.1,65.85 J18.2
/MCU/D+: length 2.5
  Top w0.178: U4.47 33.5,59.37 33.44,59.43
  Top w0.298: R25.2 33.19,60.51 33.45,60.25 33.45,59.44 33.44,59.43
/MCU/D-: length 2.5
  Top w0.178: U4.46 33.9,59.38 33.95,59.43
  Top w0.298: 33.95,59.43 33.94,59.44 33.94,60.25 34.2,60.51 R26.2
/MCU/DET_A: length 23.2
  Top w0.178: v1(17.7,57) 17.7,56.77 R33.2 ; U4.40 36.67,57 v1(36.88,57.22)
  Bottom w0.178: v1(17.7,57) 20.1,59.4 28.41,59.4 31.19,56.62 36.29,56.62 v1(36.88,57.22)
/MCU/DET_B: length 33.4
  Top w0.178: U4.41 35.21,57.4 v1(35.02,57.21) ; R36.2 18.43,74.77 v1(18.7,74.5)
  Bottom w0.178: v1(18.7,74.5) 18.7,61.1 20,59.8 28.6,59.8 31.4,57 34.81,57 v1(35.02,57.21)
/MCU/QSPI_SCLK: length 8.9
  Top w0.178: U3.6 32.01,65.43 32.01,64.31 30.33,62.63 30.33,60.33 31.5,59.16 U4.52
/MCU/QSPI_SD0: length 7.1
  Top w0.178: U3.5 31.35,64.05 30.06,62.76 30.06,60.21 31.1,59.18 U4.53
/MCU/QSPI_SD1: length 11.1
  Top w0.178: U3.2 25.29,66.7 25.29,64.23 30.3,59.22 U4.55
/MCU/QSPI_SD2: length 9.4
  Top w0.178: U4.54 30.7,59.2 26.61,63.28 26.61,65.43 U3.3
/MCU/QSPI_SD3: length 10.4
  Top w0.178: U3.7 32.3,66.41 32.3,64.2 30.6,62.5 30.6,60.46 31.9,59.16 U4.51
/MCU/QSPI_SS: length 14.8
  Top w0.178: U3.1 25.02,67.7 25.02,64.08 29.9,59.2 U4.56
  Top w0.254: R27.2 25.94,68.64 U3.1
/MCU/SD_CLK: length 35.8
  Top w0.178: U4.13 28.2,53 26.2,51 15.1,51 J16.5 v1(13.85,51.15) ; J18.5 v1(13.75,69.15)
  Bottom w0.178: v1(13.75,69.15) 13.16,68.56 13.16,51.84 v1(13.85,51.15)
/MCU/SD_SI: length 36.6
  Top w0.178: J16.3 v1(16.05,48.95) 16.9,48.1 23.9,48.1 28.4,52.6 U4.14 ; J18.3 v1(13.75,66.95)
  Bottom w0.178: v1(13.75,66.95) 13.6,66.8 13.6,52.4 14.6,51.4 14.6,50.4 v1(16.05,48.95)
/MCU/SD_SO: length 36.7
  Top w0.178: v1(29.4,51.6) 29.74,51.6 U4.15 ; v1(25.8,51.6) 17.8,51.6 16.05,53.35 J16.7 13.97,53.35 12.46,54.86 12.46,69.49 14.32,71.35 J18.7
  Bottom w0.178: v1(25.8,51.6) v1(29.4,51.6)
/MCU/SWCLK: length 14
  Top w0.178: J17.1 31.16,43.5 33.95,43.5 35.2,44.75 35.2,47.39 34.7,47.89 34.7,49.75 33.5,50.95 U4.24
/MCU/SWD: length 10.3
  Top w0.178: U4.25 33.9,50.93 34.97,49.86 34.97,48 35.47,47.5 35.47,42.73 J17.3